# Altium PCB hand_main_board_v2.PcbDoc (part 2 of 4) (continued)
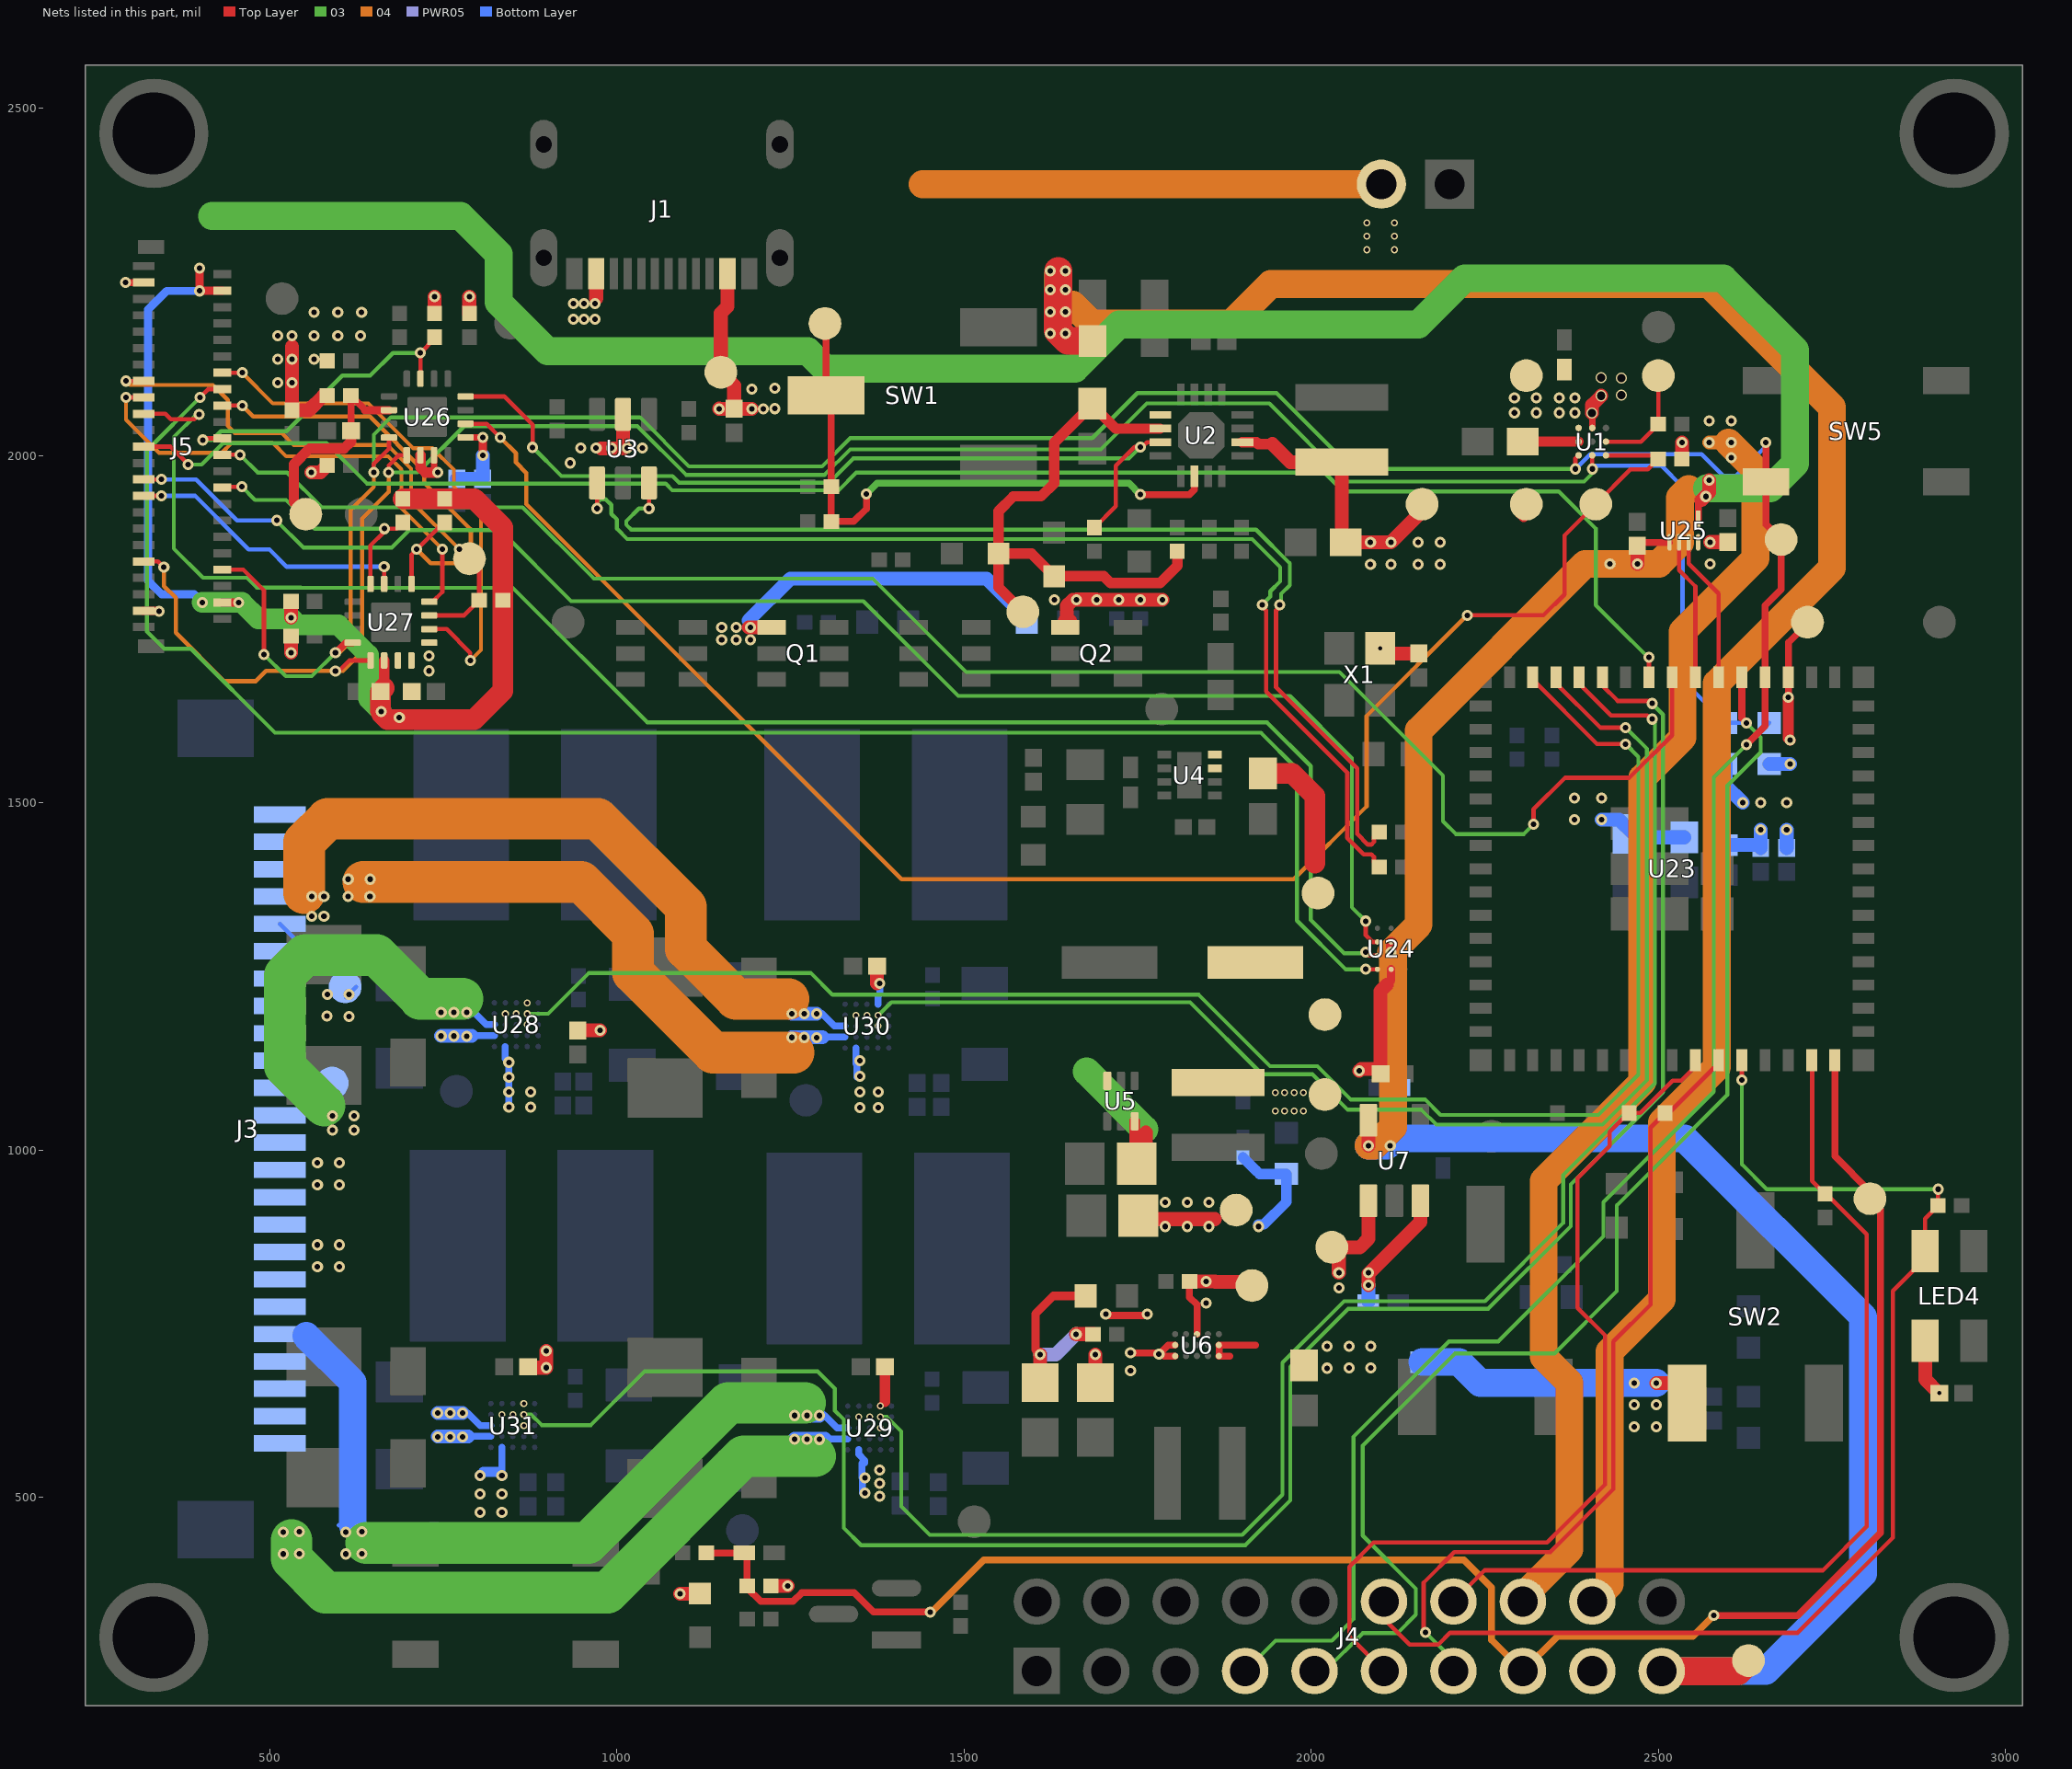
[diagram p6: the nets of this part, all layers, seen from the top]
## Via types
v1: diameter 16, hole 8, Top Layer to Bottom Layer, tented both sides, 757 vias
v2: diameter 10, hole 6, Top Layer to Bottom Layer, tented both sides, 56 vias
v3: diameter 16, hole 12, Top Layer to Bottom Layer, tented both sides, 42 vias
v4: diameter 19.68, hole 7.87, Top Layer to Bottom Layer, 8 vias
v5: diameter 20, hole 10, Top Layer to Bottom Layer, tented both sides, 6 vias
v6: diameter 12, hole 6, Top Layer to Bottom Layer, 2 vias
v7: diameter 16, hole 8, Top Layer to Bottom Layer, 1 vias

## Nets (pads, with @x,y where several pads share a name; then routed paths per layer and width w, separated by ;. In a path a pad name is that pad's centre, name@x,y a point inside that pad or via, vN(x,y) a via of type N, cw(c..) or ccw(c..) an arc to the next point about the centre after c; other vN are vias at no path point)
+1.8V: C25.2 C58.1 C59.1 C65.1 J4.19 J5.4 J5.42 R55.1 R56.2 R58.1 R59.2 TP20.TP? U7.5 U24.B2 U24.C2 U25.1 U25.5 U27.14 | length 7581.8
  Top Layer w10: C58.1@2475,1875 U25.5@2516.22,1875 ; U25.1@2557.56,1908.63 2557.56,1931.1 v1@2562.49,1936.03
  Top Layer w11.81: v1(399.17,2237.03) v1@399.41,2237.28 ; v1(399.17,2270.01) 399.41,2269.77 v1@399.41,2237.28 ; J5.4@431.91,1788.46 v1(455.65,1788.46) ; J5.42@431.91,2237.28 v1@399.41,2237.28
  Top Layer w15: C65.1@665.16,1665.16 U27.14@665.16,1704.88 ; v1(2115.32,1285) U24.C2@2115.32,1299.69 ; C58.1@2470,1870 C58.1@2475,1875
  Top Layer w20: v1(530.93,1766.26) R59.2@530.92,1790 ; v1(2082.6,1006.45) U7.5@2082.6,1043.07 ; v1(2470,1844.01) C58.1@2470,1870 ; v1@2562.49,1936.03 2573.45,1946.99 v1(2573.45,1964.37)
  Top Layer w30: C65.1@665.16,1665.16 C65.1@660,1660 660,1632.5 v1(661.08,1631.43) 661.08,1628.74 669.81,1620 795,1620 836.04,1661.04 R58.1@836.04,1791.43 836.04,1896.53 795,1937.57 R55.1@752.23,1937.57 R56.2@692.23,1937.57
  Top Layer w40: J4.19@2505.29,249.71 2614.71,249.71 TP20.TP?@2630,265
  03 w30: v1(403.16,1788.46) v1(455.65,1788.46) 460.2,1788.46 483.66,1765 529.67,1765 v1(530.93,1766.26) 541.19,1756 599.39,1756 642.5,1712.89 642.5,1650 v1(661.08,1631.43)
  03 w40: 417.25,2345 775,2345 830,2290 830,2220.63 900.45,2150.18 1275.09,2150.18 1300.27,2125 1660,2125 1723.58,2188.58 2154.51,2188.58 2220.93,2255 2593.89,2255 2696.95,2151.95 2696.95,1988.22 2661.6,1952.87 2570,1952.87
  04 w40: v1(2082.6,1006.45) 2091.39,1006.45 2118.11,1033.17 2118.11,1277.2 ; v1(2115.32,1285) 2155,1324.69 2155,1604.16 2394.85,1844.01 v1(2430.63,1844.01) v1(2470,1844.01) 2500.8,1844.01 2531.37,1874.58 2531.37,1939.37 2544,1952
  Bottom Layer w11.81: v1(399.17,2237.03) 352.03,2237.03 325,2210 325,1820 345,1800 391.61,1800 v1(403.16,1788.46)
  Bottom Layer w40: v1(2082.6,1006.45) 2109.29,1006.45 2119.66,1016.83 C25.2@2190,1016.83 2538.17,1016.83 2795,760 2795,390 2655,250 J4.19@2505,250
  other v1: 2114.1,1006.45 687,1623 2568.45,1940.97
+3.3V: C22.2 C23.2 C24.2 C48.2 C51.2 C53.2 C54.2 C55.2 C56.2 C57.2 C60.1 C61.2 C62.1 C63.1 C64.1 C71.2 C72.2 C81.2 C82.2 J4.17 J5.3 J5.43 LED3.2 LED4.1 R24.2 R25.2 R39.2 R42.2 R43.1 R48.2 R49.2 R60.1 R61.1 TP18.TP? TP42.TP? U6.E2 U6.E3 U7.1 U7.3 U23.3 U24.A2 U25.8 U26.1 U26.14 U26.15 U27.1 U27.15 U27.16 U28.C4 U28.D2 U28.D3 U28.E4 U29.C4 U29.D2 U29.D3 U29.E4 U30.C4 U30.D2 U30.D3 U30.E4 U31.C4 U31.D2 U31.D3 U31.E4 X1.4 | length 2174
  Top Layer w9.45: v1@737.08,1975.6 U26.15@737.08,2000.41 ; U26.1@782.35,2026 v1(807.16,2026) ; v1(807.01,2000.41) v1@807.16,2000.57
  Top Layer w10: v1(292.92,2249.09) J5.43@318.72,2249.09 ; v2(1380,631.5) 1386.23,637.73 ; v1(1740,708) 1783.16,708 1794.47,719.31 U6.E2@1804.25,719.31 ; v1@1788.5,703.56 U6.E3@1804.25,703.56 ; v1(2687.36,1651.88) U23.3@2687.36,1680.63 2687.36,1730.72 2715,1758.36 TP42.TP?@2715,1760
  Top Layer w11.81: J5.3@318.72,1776.65 340.35,1776.65 v1(341,1776)
  Top Layer w12: v1@807.16,2000.57 v1(807.16,2026) ; v1(1610,705.76) 1603,712.76 1603,764 1629,790 R25.2@1675.68,790 ; 2109,1238 2115.32,1244.31 U24.A2@2115.32,1260.31
  Top Layer w15: U26.14@717.39,2000.41 717.39,1982.61 724.4,1975.6 737.08,1975.6 v1(742.08,1975.6) ; 1386.23,637.73 C72.2@1386.23,688.22 ; C55.2@2096,1114 C55.2@2100,1110
  Top Layer w15.75: v1(2687.36,1651.88) 2687.36,1592.7 v1(2690.01,1590.05)
  Top Layer w20: v1(530.92,1716.37) R49.2@530.92,1740 ; v1(560.15,1975.6) 573.22,1975.6 R48.2@583.15,1985.53 ; R60.1@737.49,2204.61 v1(737.49,2228.75) ; R61.1@787.75,2204.61 v1(787.75,2228.75) ; C82.2@872.43,686.73 v1(898.42,686.73) v1(898.42,711.1) ; C71.2@944.17,1172.32 v1@975.94,1172.32 ; v1(1091.12,361.48) LED3.2@1119.86,361.48 ; R43.1@1222.04,372.5 v1(1246.17,372.5) ; v1@1375,1239.8 C81.2@1375,1265 ; C23.2@1610,665 v1(1610,705.76) ; v1(1661.78,735) R24.2@1685.92,735 ; C22.2@1689.46,665 v1(1689.46,705.76) ; v1(2040,823.38) 2040,860 2070.35,860 2082.6,872.25 U7.1@2082.6,926.93 ; v1(2069.36,1114) 2071.95,1116.59 2093.41,1116.59 C55.2@2100,1110 2100,1229 2109,1238 ; v1(2082.6,805.56) 2082.6,821.89 2157.4,896.69 U7.3@2157.4,926.93 ; v6(2099.53,1722.4) 2106.93,1715 C51.2@2155,1715 ; v1(2574.8,1875.35) C54.2@2600,1875.35 ; LED4.1@2884.46,725.53 2884.46,669.75 2904.21,650 v6(2905,650)
  PWR05 w20: v1(1610,705.76) 1632.54,705.76 v1(1661.78,735)
  Bottom Layer w10: U30.E4@1376.19,1210 1376.19,1221.49 1379,1224.3 v1(1379,1239.8)
  Bottom Layer w20: C64.1@769.6,1966.4 C62.1@807.01,1966.4 v1(807.01,2000.41) ; C24.2@2082.6,781.93 v1(2082.6,805.56) ; v1(2418.46,1475.91) 2443.69,1475.91 C61.2@2464.52,1455.08 2469.37,1450.24 C60.1@2537.58,1450.24 ; R39.2@2596.98,1555.68 2596.98,1525 v1(2621.62,1500.36) ; C57.2@2603.76,1439.14 2643.45,1439.14 C56.2@2647.59,1435 v1(2647.59,1460.99) ; R42.2@2660,1555.68 v1(2690.01,1555.68) ; C53.2@2685,1435 v1(2685,1460.99)
  other v1: 1740,682.54 1781,706 2040.33,801.35 2082.6,823.38 975.94,1172.7 2379.09,1475.91 2647.59,1500.36 2685,1500.36 2379.09,1506.62 2418.46,1506.62 730,1690 730,1711.5 2574.8,1843.85
  other v2: 1380,600 866.19,603.51 1348.5,615.75 1364.25,615.75 834.7,619.26 850.44,619.26 866.19,635 1376.19,1178.51 871.19,1180.52 1344.7,1194.26 1360.44,1194.26 839.7,1196.27 855.44,1196.27 871.19,1212.02
+5V: C19.1 C20.2 C21.2 R22.2 TP17.TP? U5.6 U28.A2 U29.A2 U30.A2 U31.A2 | length 772.9
  Top Layer w15: C20.2@1745.95,980.63 U5.6@1745.95,1041.49
  Top Layer w20: C20.2@1748.67,980.63 1762.27,994.22 1762.27,1025.26 ; C21.2@1756.27,900.63 1861.27,900.63
  03 w40: 1676.77,1113.23 1760,1030
  Bottom Layer w10: v1(834.7,531.42) U31.A2@834.7,572.01 ; U28.A2@839.29,1148.62 839.29,1131.79 v1(844.7,1126.39) v1@844.7,1103.89 ; v1@844.7,1060.97 v1(844.7,1083.46) ; v1@844.7,1082.43 v1(844.7,1104.93) ; U30.A2@1344.7,1147.01 1344.7,1124.52 v1@1345.24,1123.98 ; v1@1345.73,1104.97 v1@1345.73,1123.49 ; U29.A2@1348.5,568.5 1348.5,562.18 1357.5,553.18 1357.5,549.41 ; v1@1353.2,528.6 1353.2,548.72 ; v1@1353.67,506.72 v1@1353.67,526.11
  Bottom Layer w15: v1(803.2,531.42) 808.39,536.61 829.5,536.61 v1(834.7,531.42) ; C19.1@1902,989.39 1920.69,970.69 1925.68,965.71 R22.2@1964.6,965.71 1964.6,925.47 1932.06,892.93 v1@1924.17,892.93
  other v1: 803.2,478.42 834.7,478.42 1379,501.41 803.2,504.92 834.7,504.92 1357.5,506.41 1379,520.41 1357.5,527.91 1379,539.41 1790,890 1821.5,890 1853,890 1924.17,890 1790,925 1821.5,925 1853,925 1350.24,1061.48 1376.74,1061.48 844.7,1062 876.2,1062 876.2,1083.46 1350.24,1083.98 1376.74,1083.98 1350.24,1106.48 1350.24,1128.98
+V_IN: C14.1 C15.1 C17.1 L2.1 R19.1 SW2.1 TP12.TP? TP13.TP? TP15.TP? U4.7 U4.8 U5.3 U6.A2 U6.A3 | length 664.6
  Top Layer w10: U6.A2@1867.24,719.31 1920.19,719.31 ; U6.A3@1867.79,704.11 U6.A2@1867.79,718.76 ; 1873.91,703.56 U6.A3@1867.24,703.56 1882.99,703.56
  Top Layer w20: v1(2497.03,664.78) SW2.1@2537.59,664.78
  Top Layer w30: C15.1@1930.75,1542.13 1973.2,1542.13 2005.64,1509.68 2005.64,1413.23
  Bottom Layer w40: R19.1@2160.27,694.93 2213.3,694.93 2243.45,664.78 v1(2465.53,664.78) v1(2497.03,664.78)
  other v1: 2465.53,601.78 2497.03,601.78 2465.53,633.28 2497.03,633.28 2022.92,686 2054.7,686.11 2086.2,686.11 2022.92,717.5 2054.7,717.61 2086.2,717.61
  other v2: 1948.5,1056.5 1962,1056.5 1975.5,1056.5 1989,1056.5 1948.5,1083 1962,1083 1975.5,1083 1989,1083
+VBUS: C1.1 C6.2 J1.A4B9 J1.B4A9 J4.18 Q1.4 R13.2 R54.1 TP4.TP? U2.1 U3.5 | length 4134
  Top Layer w20: v1@970.51,2226.35 J1.B4A9@970.51,2261.99 ; v1@977.67,2010 1010,2010 1009.17,2010.83 U3.5@1009.17,2059.41 ; v1@1147.72,2067.45 1147.85,2067.32 C6.2@1169.17,2067.32 ; 1159.49,2226.35 J1.A4B9@1159.49,2261.99 1159.49,2214.49 1150,2205 TP4.TP?@1150,2120 1169.17,2100.83 C6.2@1169.17,2067.32 ; v1@1189.78,1752.4 Q1.4@1223.25,1752.4 ; v1(1194.38,2067.32) C6.2@1169.17,2067.32
  Top Layer w40: 1635.28,2237.73 1635.28,2179.62 1649.92,2164.99 C1.1@1685.18,2164.99 ; 1636,2238.53 1636,2265.9
  04 w40: 1636.09,2238.53 1636.09,2261.33 ; v1(1646.09,2207.03) 1656.63,2217.57 1684.2,2190 1885,2190 1941.87,2246.87 2573.13,2246.87 2750.32,2069.68 2750.32,1838.38 2584.29,1672.35 2584.29,1119.29 2505,1040 2505,785 2430,710 2430,375 J4.18@2405,350
  Bottom Layer w20: 1189.78,1762.4 1250.34,1822.96 1532.72,1822.96 R13.2@1590.68,1765
  other v1: 1151.28,1734.9 1172.03,1734.9 1192.78,1734.9 1151.28,1752.4 1172.03,1752.4 1192.78,1752.4 933.17,1989.33 948.17,2010.83 970.42,2010.83 992.67,2010.83 1014.92,2010.83 1037.17,2010.83 1147.72,2067.32 1211,2067.32 1227.75,2067.48 1194.38,2095.61 1227.75,2096.86 564.02,2138.64 564.02,2172.48 598.35,2172.48 631.02,2172.48 1624.59,2175.53 1646.09,2175.53 937.5,2196.5 953,2196.5 969,2196.5 564.02,2206.31 598.35,2206.31 632.69,2206.31 1624.59,2207.03 937.5,2219 953,2219 969,2219 1624.59,2238.53 1646.09,2238.53 1624.59,2265.9 1646.09,2265.9
AGND: NT1.1 R26.1 TP41.TP? U6.C1 | length 234.1
  Top Layer w10: v1(1704.25,763.73) 1706.08,761.9 1762.16,761.9 v1(1764,763.73) ; R26.1@1825.04,811 R26.1@1825.04,811 1825,788 1835.75,777.25 U6.C1@1835.75,735.06
  Top Layer w20: R26.1@1825.04,811 v1(1849.17,811) 1861.63,811 1862.41,810.21 1909.79,810.21 TP41.TP?@1915,805
  other v1: 1849.17,779.5
BAT+: C8.2 J2.2 J4.16 R3.2 R50.2 R51.1 TP8.TP? U1.C3 | length 2717.5
  Top Layer w15: R51.1@577.69,2086.05 R51.1@583.15,2086.05
  Top Layer w20: 532.23,2156.81 532.23,2136.31 R50.2@532.23,2065.25 556.89,2065.25 R51.1@577.69,2086.05 ; R3.2@2534.08,1995 v1(2534.08,2018.63)
  04 w20: v1(2573.45,2018.63) v1@2601.37,2018.63
  04 w40: 1440.63,2390.7 J2.2@2101.24,2390.7 ; J4.16@2305,350 2305,357.81 2372.27,425.09 2372.27,665 2335,702.27 2335,956.06 2477.14,1098.2 2477.14,1536.01 2535,1593.86 2535,1746.78 2640,1851.78 2640,1980 v1@2601.37,2018.63
  other v1: 2604.95,1997.13 2604.95,2018.63 2573.45,2050.13 2604.95,2050.13 2292.96,2061.48 2324.46,2061.48 2357.33,2061.48 2380.01,2061.48 2292.96,2082.98 2324.46,2082.98 2357.33,2082.98 2380.01,2082.98 511.73,2104.81 532.23,2104.81 511.73,2138.64 532.23,2138.64 511.73,2172.48 532.23,2172.48
  other v2: 2080.63,2296.26 2120,2296.26 2080.63,2315.63 2120,2315.63 2080.63,2335 2120,2335
BAT_INSERT_DETECT: C66.2 R51.2 TP30.TP? U26.10 | length 310.2
  Top Layer w10: R51.2@617.23,2086.05 R51.2@617.52,2085.77 ; C66.2@617.52,2029.67 C66.2@617.52,2035.79 R51.2@617.52,2085.77 ; 637.91,2065.37 R51.2@617.52,2085.77
  Top Layer w12: 637.91,2065.37 U26.10@672.12,2065.37
  Top Layer w15: TP30.TP?@552.23,1915.53 535,1932.76 535,1987.3 557.7,2010 607.31,2010 617.52,2020.2 C66.2@617.52,2035.79
BOS1901_1_CS: U23.14 U28.D4 | length 2392.6
  Top Layer w6.16: U23.14@2319.25,1680.63 2319.25,1677.2 2411.84,1584.62 v1(2453.11,1584.62)
  03 w5.61: v2(871.19,1196.27) 901.27,1196.27 960,1255 1279.5,1255 1310.86,1223.64 1838.19,1223.64 1940.94,1120.89 2009.11,1120.89 2057.09,1072.91 2164.09,1072.91 2186.31,1050.69 2413.69,1050.69 2471.51,1108.51 2471.51,1566.22 v1(2453.11,1584.62)
BOS1901_2_CS: U23.13 U30.D4 | length 1870.3
  Top Layer w6.16: U23.13@2352.72,1680.63 2352.72,1672.17 2416.66,1608.23 v1(2453.11,1608.23)
  03 w5.61: v2(1376.19,1194.26) 1377.07,1194.26 1395.56,1212.75 1825.81,1212.75 1929.39,1109.17 2001.92,1109.17 2053,1058.09 2158.91,1058.09 2180.45,1036.55 2419.55,1036.55 2483.77,1100.77 2483.77,1577.57 v1(2453.11,1608.23)
BOS1901_3_CS: U23.12 U29.D4 | length 2330.9
  Top Layer w6.16: U23.12@2386.18,1680.63 2386.18,1671.61 2432.26,1625.53 2484.38,1625.53 2489.41,1620.5 v1(2491,1620.5)
  03 w5.61: v2(1380,615.75) 1389.25,615.75 1410,595 1410,487 1451.02,445.98 1900.98,445.98 1959,504 1959,694.02 2047.54,782.56 2250.51,782.56 2363.01,895.06 2363.01,963.71 2495.29,1095.99 2495.29,1616.21 v1(2491,1620.5)
BOS1901_4_CS: U23.11 U31.D4 | length 2970.9
  Top Layer w6.16: U23.11@2419.65,1680.63 2419.65,1668.65 2441.66,1646.63 2487.37,1646.63 v1(2491,1643)
  03 w5.61: v2(866.19,619.26) 876.63,619.26 891.85,604.03 963.03,604.03 1040.32,681.32 1289.46,681.32 1314.15,656.63 1314.15,624.85 1327,612 1327,456 1352,431 1905.38,431 1970,495.62 1970,688 2053.56,771.56 2255.06,771.56 2374.01,890.5 2374.01,950.57 2506.84,1083.4 2506.84,1627.16 v1(2491,1643)
BQ25302_EN: R9.1 R11.2 SW1.2 TP9.TP? U2.6 | length 875.7
  Top Layer w10: TP9.TP?@1300,2190 1301.56,2188.44 1301.56,2088.42 1309.08,2080.9 R11.2@1309.08,1955 R9.1@1309.08,1905 1341.32,1905 1359.73,1923.42 v1(1359.73,1944.83) ; v1(1754.2,1943.81) 1824.83,1943.81 1832.16,1951.14 U2.6@1832.16,1969.96
  03 w10: v1(1359.73,1944.83) 1374.9,1960 1738.01,1960 v1(1754.2,1943.81)
BQ25302_REGN: C2.1 LED1.2 LED2.1 R6.1 TP1.TP? U2.2 | length 814.6
  Top Layer w15: TP1.TP?@1585,1775 1549.82,1810.18 LED2.1@1549.82,1858.88 ; U2.2@1782.79,2038.7 1718.73,2038.7 1685,2072.43 C2.1@1685,2075 1685,2073.39 1630,2018.39 1630,1960 1611.22,1941.22 1571.22,1941.22 1549.82,1919.82 LED2.1@1549.82,1858.88 ; R6.1@1807.48,1862.07 1807.48,1841.27 1782.67,1816.46 1711.28,1816.46 1701.53,1826.21 LED1.2@1630.14,1826.21 1597.46,1858.88 LED2.1@1549.82,1858.88
BQ25302_STAT: R10.1 U2.3 U26.4 | length 1241
  Top Layer w6.16: U26.4@782.35,2085.06 837.94,2085.06 879,2044 v1(879,2011.78) ; R10.1@1688,1896.15 1719,1927.15 1719,1985.4 1745.8,2012.21 v1(1754.2,2012.21) ; v1@1756.7,2012.21 1763.67,2019.17 U2.3@1782.95,2019.17
  03 w5.61: v1(879,2011.78) 920.39,1970.39 1080.39,1970.39 1090,1960.79 1305.68,1960.79 1340.7,1995.8 1737.79,1995.8 v1(1754.2,2012.21)
BQ27427_BIN: R2.2 TP2.TP? U1.B1 | length 145.7
  Top Layer w6.16: U1.B1@2424.68,2019.99 2475,2019.99 R2.2@2500,2045 TP2.TP?@2500,2105
BQ27427_GPOUT: R3.1 TP3.TP? U1.A1 U26.2 | length 2477.5
  Top Layer w6.16: U26.2@782.35,2045.69 812.66,2045.69 v1(832.37,2025.98) ; v7(2225,1770) 2335,1770 2365,1800 2365,1885 TP3.TP?@2410,1930 2460,1980 2485,1980 R3.1@2500,1995 2494.68,2000.31 U1.A1@2424.68,2000.31
  04 w6.16: v1(832.37,2025.98) 855,2003.35 855,1990 870,1975 870,1930 1410,1390 1975,1390 2080,1495 2080,1625 v7(2225,1770)
BQ27427_SRX: C7.1 L1.2 Q2.4 TP7.TP? U1.C2 U2.10 | length 642.7
  Top Layer w6.16: 1921.29,2019.17 1923.82,2016.64 ; 1944.05,2016.64 1948.84,2011.84 ; v3(2404.78,2061.2) v3@2405,2060.98
  Top Layer w9: U1.C2@2405,2039.69 v3@2405,2060.98
  Top Layer w15: U2.10@1901.06,2019.17 1921.29,2019.17 ; 1923.82,2016.64 1944.05,2016.64
  Top Layer w20: Q2.4@1645.92,1762.4 1652.64,1762.4 1648.4,1766.64 1648.4,1783.71 1656.76,1792.06 v1(1662.06,1792.06) ; v1@1662.67,1792.67 v1@1690.83,1792.67 ; v1(1691.43,1792.06) v1(1785.93,1792.06) ; 1944.05,2016.64 1970.13,1990.56 L1.2@2044.05,1990.56 2044.05,1880.95 C7.1@2050,1875 ; C7.1@2050,1874.31 C7.1@2050,1875 ; TP7.TP?@2158.4,1931.6 TP7.TP?@2160,1930 2160,1920 v1(2115,1875) C7.1@2050,1875 ; v3(2404.78,2061.2) 2404.78,2072.78 v3(2418,2086)
  other v1: 1630.56,1792.06 1722.93,1792.06 1754.43,1792.06 2085.63,1843.5 2115,1843.5 2154.37,1843.5 2185.87,1843.5 2085.63,1875 2154.37,1875 2185.87,1875
  other v3: 2447,2087 2446.8,2111.3 2418,2112
BQ27427_VDD: C5.1 TP5.TP? U1.B3 | length 92.4
  Top Layer w15: TP5.TP?@2301,1917 TP5.TP?@2306,1912 ; C5.1@2305,2025 C5.1@2305,2020 U1.B3@2385.32,2019.99
DEBUG_P1_TX: J4.11 R34.1 U23.39 | length 1302.8
  Top Layer w6.16: J4.11@2105,250 2055,300 2055,400 2090,435 2339.69,435 2423.24,518.55 2423.24,733.42 2383.74,772.92 2383.74,959.83 2430,1006.09 2430,1026.31 2457.07,1053.38 R34.1@2458.3,1053.38 2474.19,1053.38 2520.81,1100 2533.02,1100 2553.5,1120.48 U23.39@2553.5,1129.45
DEBUG_P2_RX: J4.13 R35.1 U23.40 | length 1156
  Top Layer w6.16: v1(2164.81,305.72) 2162.13,308.4 2162.13,377.13 2206.33,421.33 2344.58,421.33 2435.5,512.25 2435.5,724.5 2488.75,777.75 2488.75,1032.13 R35.1@2510,1053.38 2515.2,1053.38 U23.40@2589.12,1127.3
  03 w5.61: v1(2164.81,305.72) 2205,265.53 J4.13@2205,250
DEBUG_P3_RGB: J4.12 LED4.4 R38.2 U23.41 | length 1812.8
  Top Layer w6.16: J4.12@2105,350 2105,325 2141.78,288.22 2183.37,288.22 2200.14,305 2701,305 2838.03,442.03 2838.03,797.37 2884.46,843.81 LED4.4@2884.46,854.47 2884.46,901.5 R38.2@2902.96,920 v1(2902.96,943.63) ; v1(2620.43,1100.7) U23.41@2620.43,1129.45
  03 w5.61: v1(2620.43,1100.7) 2620.43,979.57 2656.37,943.63 v1(2902.96,943.63)
DEBUG_P4: J4.14 R37.2 U23.44 | length 1345.1
  Top Layer w6.16: J4.14@2205,350 2250,395 2737,395 2800,458 2800,878.99 2741.95,937.04 R37.2@2740,937.04 2721.65,955.39 2721.65,1128.62 U23.44@2720.83,1129.45
ESP_CH101_SCL: U23.6 U25.7 | length 212.3
  Top Layer w6.16: U25.7@2543.78,1875 2543.78,1844.35 2586.97,1801.17 U23.6@2586.97,1680.63
ESP_CH101_SDA: U23.7 U25.6 | length 204.1
  Top Layer w6.16: U25.6@2530,1875 2530,1835 2553.5,1811.5 U23.7@2553.5,1680.63
ESP_EN: C49.1 J4.15 R40.2 R43.2 TP26.TP? U23.45 | length 2695
  Top Layer w10: R40.2@1129.08,420 C49.1@1183.54,420 1187.96,415.58 R43.2@1187.96,372.5 1187.96,369.65 1207.45,350.16 1254,350.16 1266.84,363 1342,363 1362.42,342.58 1370,335 v1(1451.59,335) ; v1(2580,330) 2701,330 2820,449 2820,915 TP26.TP?@2805,930 2805,940.56 2754.29,991.27 U23.45@2754.29,1129.45
  04 w10: v1(1451.59,335) 1454.04,335 1529.04,410 2220,410 2260,370 2260,295 J4.15@2305,250 2355,300 2550,300 v1(2580,330)
ESP_USB_N: R44.2 U3.3 | length 1556.3
  Top Layer w6.16: v1(1046.57,1923.77) U3.3@1046.57,1960.59
  Top Layer w6.23: v1(1955,1785) 1955,1782.36 1949.61,1776.97 1949.61,1666.26 2066.36,1549.51 2066.36,1455.32 2081.81,1439.88 2086.97,1439.88 2090.62,1443.52 2090.62,1450.38 R44.2@2098.14,1457.89
  03 w5.66: v1(1046.57,1923.77) 1032.13,1923.77 1013.89,1905.53 1013.89,1900.42 1020.97,1893.35 1920.76,1893.35 1969.34,1844.77 1969.34,1813.18 1956.98,1800.82 1956.98,1786.98 v1(1955,1785)
ESP_USB_P: R45.2 U3.1 | length 1605
  Top Layer w6.16: v1(971.77,1923.77) U3.1@971.77,1960.59
  Top Layer w6.23: v1(1930,1785) 1930,1782.36 1935.39,1776.97 1935.39,1660.36 2052.13,1543.61 2052.13,1449.43 2075.92,1425.65 2086.97,1425.65 2090.62,1422 2090.62,1415.15 R45.2@2098.14,1407.63
  03 w5.66: v1(971.77,1923.77) 971.77,1931.85 976.77,1936.85 984.47,1936.85 992.35,1928.97 992.35,1915.89 1000.23,1908 1000.23,1894.77 1015.31,1879.69 1915.11,1879.69 1955.68,1839.12 1955.68,1818.84 1941.4,1804.56 1941.4,1796.92 1930,1785.53 v1(1930,1785)
FPC_BMI323_CS: J5.23 U23.9 | length 2433.4
  Top Layer w6.16: J5.23@318.72,2012.87 357.12,2012.87 v1(382.83,1987.16) ; U23.9@2486.57,1680.63 v1(2486.57,1709.38)
  03 w5.61: v1(382.83,1987.16) 402.37,1987.16 433.07,2017.85 582.15,2017.85 640.39,1959.61 1070.39,1959.61 1080,1950 1319.66,1950 1345,1975.34 2019.5,1975.34 2046.49,1948.35 2356.65,1948.35 2410,1895 2410,1784.68 2439.84,1754.84 2485.3,1709.38 v1(2486.57,1709.38)
FPC_BMI323_INT1: J5.22 U23.8 | length 2507.5
  Top Layer w6.16: J5.22@431.91,2001.06 v1(457.45,2001.06) ; v1(2320.37,1469) 2320.37,1490.37 2365.99,1535.99 2458.59,1535.99 2520.04,1597.44 U23.8@2520.04,1680.63
  03 w5.61: v1(457.45,2001.06) 483.18,1975.32 525.35,1975.32 575.23,1925.44 864.56,1925.44 967.3,1822.7 1368.89,1822.7 1503.2,1688.39 2040.76,1688.39 2190,1539.14 2190,1473.43 2208.43,1455 2306.37,1455 v1(2320.37,1469)
FPC_BMI323_INT2: J5.24 R60.2 U26.7 | length 462.2
  Top Layer w6.16: v1(404.1,2022.39) 406.38,2024.68 J5.24@431.91,2024.68 ; U26.7@717.39,2110.65 v1(717.39,2147.78) 737.49,2167.88 R60.2@737.49,2170.53
  03 w6.16: v1(404.1,2022.39) 417.39,2022.39 430,2035 525,2035 605,2115 645,2115 677.78,2147.78 v1(717.39,2147.78)
FPC_BOARD_SCL: J4.7 J5.8 R42.1 SW5.2 TP25.TP? U1.A3 U23.4 U26.12 U27.12 | length 5157.1
  Top Layer w6.16: J5.8@431.91,1835.7 462.19,1835.7 492.05,1805.84 v1(492.05,1713.53) ; v1(650.12,1975.6) 650.12,1987.91 672.12,2009.91 U26.12@672.12,2026 ; v1(2380.66,1980.69) 2380.66,1995.66 U1.A3@2385.32,2000.31
  Top Layer w10: v1@595.42,1716.37 609.52,1730.47 U27.12@619.88,1730.47 ; v1(2626.99,1583.5) 2653.9,1610.41 U23.4@2653.9,1680.63 2653.9,1783.9 2677.01,1807.01 TP25.TP?@2677.01,1879 2655.08,1900.93 SW5.2@2655.08,1962.16 v1(2655.08,2018.63)
  03 w5.61: v1(492.05,1713.53) 523.38,1682.2 560.83,1682.2 v1(595,1716.37) ; v1(650.12,1975.6) 650.12,2030.12 675,2055 1033.49,2055 1104.13,1984.36 1295.77,1984.36 1336.51,2025.1 1685.1,2025.1 1750,2090 1950.22,2090 2059.53,1980.69 v1(2380.66,1980.69) ; J4.7@1905,250 1948.85,293.85 2029.99,293.85 2061,324.87 2061,587.01 2198.4,724.41 2269.63,724.41 2420.99,875.77 2420.99,925.13 2580,1084.14 2580,1536.51 v1(2626.99,1583.5)
  04 w5.61: v1(595,1716.37) 601.09,1716.37 616.92,1732.2 616.92,1921.75 650.12,1954.94 v1(650.12,1975.6)
  Bottom Layer w6.16: v1@2380.98,1980.69 2402.05,2001.76 2562.26,2001.76 2593.51,1970.51 2612.14,1970.51 2655.08,2013.45 v1(2655.08,2018.63) ; v1@2628.5,1583.5 R42.1@2660,1615
  Bottom Layer w10: v1(2626.99,1583.5) v1@2628.5,1583.5
FPC_BOARD_SDA: J4.9 J5.9 R39.1 U1.A2 U23.5 U26.13 U27.13 | length 5159.8
  Top Layer w6.16: J5.9@318.72,1847.51 339.53,1847.51 v1(347.95,1839.08) ; v1(595,1689.88) 600,1689.88 615,1704.88 U27.13@645.47,1704.88 ; v1(671.71,1975.6) 671.71,1985.71 686.41,2000.41 U26.13@697.71,2000.41 ; v1@2405,1982.59 U1.A2@2405,2000.31
  Top Layer w10: U23.5@2620.43,1680.63 2620.43,1621.56 v1(2626.99,1615)
  03 w5.61: v1(671.71,1975.6) 713.6,1975.6 780.34,2042.34 1029.74,2042.34 1099.85,1972.23 1299.48,1972.23 1336.25,2009 1697.33,2009 1763.33,2075 1940,2075 2052.37,1962.63 2393.31,1962.63 2405,1974.31 v1(2405,1980.69) ; J4.9@2005,250 2020,250 2074.48,304.48 2124.47,304.48 2151,331.01 2151,368.44 2074.47,444.97 2074.47,574.47 2207.13,707.13 2350.49,707.13 2440.35,796.99 2440.35,920.35 2599.56,1079.56 2599.56,1524.82 2647.53,1572.79 2647.53,1594.46 v1(2626.99,1615)
  04 w5.61: v1@600,1689.88 605.92,1689.88 633.41,1717.37 633.41,1909.21 671.71,1947.51 v1(671.71,1975.6)
  04 w6.16: v1(347.95,1839.08) 347.95,1812.05 365,1795 365,1745 435,1675 480,1675 494.88,1689.88 v1(595,1689.88)
  Bottom Layer w6.16: v1(2405,1980.69) 2409.53,1985.23 2504.77,1985.23 2535,1955 2535,1676.98 R39.1@2596.98,1615 v1(2626.99,1615) v1@2628.05,1613.94
FPC_BOS1901_1_OUT+: J3.16 J3.17 J3.18 TP34.TP? U28.B1 | length 98.2
  Bottom Layer w6.16: TP34.TP?@610,1220 TP34.TP?@625,1235
  Bottom Layer w10: v1@791.24,1163.97 792.05,1164.78 U28.B1@823.95,1164.78
  Bottom Layer w20: v1@747.25,1164.55 v1@791.24,1164.55
  other v1: 747.25,1164.19 765.25,1164.19 784.24,1163.97 614.4,1192.44 582.9,1192.8 583.26,1224.3 614.76,1223.94
FPC_BOS1901_1_OUT−: J3.13 J3.14 J3.15 TP35.TP? U28.C1 | length 589.5
  03 w60: 579,1064 522,1121 522,1251.68 551.15,1280.83 654.17,1280.83 717,1218 778,1218
  Bottom Layer w10: v1(784.24,1198.37) 794.34,1198.37 812.18,1180.52 U28.C1@823.95,1180.52
  Bottom Layer w20: v1(747.25,1198.37) v1(765.25,1198.37) v1(784.24,1198.37)
  other v1: 590.5,1028.5 622,1028.5 590.5,1049.19 622,1049.19
FPC_BOS1901_2_OUT+: J3.22 J3.23 J3.24 U30.B1 | length 831.5
  04 w60: 634.96,1386.2 948.8,1386.2 1023.55,1311.45 1023.55,1255.7 1138.77,1140.48 1255.02,1140.48
  Bottom Layer w10: 1296.24,1161.95 1297.05,1162.76 U30.B1@1328.95,1162.76
  Bottom Layer w20: v1@1252.25,1162.54 1296.24,1162.54
  other v1: 1252.25,1162.17 1270.25,1162.17 1288.24,1161.95 613.17,1365 644.67,1365 613.5,1390 645,1390
FPC_BOS1901_2_OUT−: J3.19 J3.20 J3.21 U30.C1 | length 1062.4
  04 w60: 550,1370 550,1443.18 583.91,1477.09 972.91,1477.09 1099.79,1350.21 1099.79,1289.7 1171.91,1217.57 1247.61,1217.57
  Bottom Layer w6.16: J3.20@515.04,1325.7 J3.19@550.74,1290
  Bottom Layer w10: v1(1288.24,1196.35) 1295.56,1196.35 1313.41,1178.51 U30.C1@1328.95,1178.51
  Bottom Layer w20: v1(1252.25,1196.35) v1(1270.25,1196.35) v1(1288.24,1196.35)
  other v1: 560.74,1336.86 578.46,1336.86 560.74,1365 578.46,1365
FPC_BOS1901_3_OUT+: J3.1 J3.2 J3.3 U29.B1 | length 959.1
  03 w60: 531.65,438.27 531.65,411.78 580.47,362.97 986.7,362.97 1182.92,559.2 1285.69,559.2
  Bottom Layer w10: 1300.05,583.45 1300.85,584.25 U29.B1@1332.76,584.25
  Bottom Layer w20: v1@1256.06,584.03 1300.05,584.03
  other v1: 520,418.5 543,419 520,450 543,450.5 1292.05,583.45 1256.06,583.67 1274.05,583.67
FPC_BOS1901_3_OUT−: J3.4 J3.5 J3.6 U29.C1 | length 1119.9
  03 w60: 639.28,434.47 958.95,434.47 1160.57,636.09 1271.21,636.09
  Bottom Layer w6.16: 600,460 620,460
  Bottom Layer w10: v1(1292.05,617.84) 1299.37,617.84 1317.21,600 U29.C1@1332.76,600
  Bottom Layer w20: v1(1256.06,617.84) v1(1274.05,617.84) v1(1292.05,617.84)
  Bottom Layer w40: 552.91,732.62 620,665.53 620,460
  other v1: 610,418.5 633,419 610,450 633,450.5
FPC_BOS1901_4_OUT+: J3.7 J3.8 J3.9 U31.B1 | length 77
  Bottom Layer w10: 786.24,586.95 787.05,587.76 U31.B1@818.95,587.76
  Bottom Layer w20: v1@742.25,587.54 786.24,587.54
  other v1: 742.25,587.17 760.25,587.17 778.24,586.95 569.12,832.01 600.62,832.01 569.12,863.51 600.62,863.51
FPC_BOS1901_4_OUT−: J3.10 J3.11 J3.12 U31.C1 | length 84.1
  Bottom Layer w10: v1(778.24,621.35) 785.56,621.35 803.41,603.51 U31.C1@818.95,603.51
  Bottom Layer w20: v1(742.25,621.35) v1(760.25,621.35) v1(778.24,621.35)
  other v1: 569.12,950.12 600.62,950.12 569.12,981.62 600.62,981.62
FPC_CH101_1_INT: J5.30 U24.A3 | length 2507.3
  Top Layer w6.16: v1(400,2083.74) 411.8,2095.54 J5.30@431.91,2095.54 ; v1(2078.78,1260.31) U24.A3@2095.63,1260.31
  03 w5.61: v1(400,2083.74) 323.5,2007.24 323.5,1746.5 348.17,1721.83 387.03,1721.83 508.07,1600.79 1927.92,1600.79 1979.8,1548.92 1979.8,1330.32 2049.8,1260.31 v1(2078.78,1260.31)
FPC_CH101_1_PROG: J5.32 U27.2 | length 772.9
  Top Layer w6.16: J5.32@431.91,2119.17 v1(460.65,2119.17) ; U27.2@730.12,1750.16 755.06,1750.16 789.25,1715.97 v1(789.25,1704.88)
  04 w5.61: v1(460.65,2119.17) 504.82,2075 642.36,2075 707.01,2010.35 734.65,2010.35 765.35,1979.65 765.35,1955.35 804.48,1916.22 804.48,1720.12 v1(789.25,1704.88)
FPC_CH101_1_RESET: J5.31 R58.2 TP28.TP? U27.3 | length 821.3
  Top Layer w6.16: v1(293.36,2107.24) 293.48,2107.36 J5.31@318.72,2107.36 ; U27.3@730.12,1769.84 780.38,1769.84 R58.2@801.96,1791.43 801.96,1836.42 v1(773.38,1865)
  04 w5.61: v1(293.36,2107.24) 299.05,2101.55 418.45,2101.55 440,2080 440,2042.47 450,2032.47 517.53,2032.47 535,2015 670.06,2015 704.03,1981.03 704.03,1934.35 v1(773.38,1865)
FPC_CH101_2_INT: J5.27 U24.B3 | length 2403.4
  Top Layer w6.16: J5.27@318.72,2060.11 349.89,2060.11 357.71,2052.29 391.9,2052.29 v1(398.68,2059.07) ; v1(2078.78,1285) 2083.78,1280 U24.B3@2095.63,1280
  03 w5.61: v1(398.68,2059.07) 394.92,2059.07 362.37,2026.52 362.37,1866.03 404.2,1824.2 467.5,1824.2 481.7,1810 545,1810 545.37,1809.63 850.37,1809.63 1044.09,1615.91 1936.52,1615.91 1999.59,1552.83 1999.59,1331.38 2047.66,1283.32 2077.1,1283.32 v1(2078.78,1285)
FPC_CH101_2_PROG: J5.29 U27.4 | length 720.9
  Top Layer w6.16: v1(293.36,2083.61) 293.48,2083.73 J5.29@318.72,2083.73 ; U27.4@730.12,1789.53 734.87,1789.53 748.93,1803.59 v1(748.93,1865)
  04 w5.61: v1(293.36,2083.61) 293.36,2051.64 341.13,2003.87 431.45,2003.87 445.65,2018.07 505,2018.07 524.04,1999.04 670.96,1999.04 690,1980 690,1923.93 v1(748.93,1865)
FPC_CH101_2_RESET: J5.28 R55.2 U27.5 | length 680.6
  Top Layer w6.16: J5.28@431.91,2071.92 v1(460.65,2071.93) ; U27.5@704.53,1815.12 704.53,1857.19 v1@712,1864.67 ; v1(712,1865) 749.07,1902.07 752.23,1902.07 R55.2@752.23,1903.49
  04 w6.16: v1(460.65,2071.93) 476.44,2056.14 644.53,2056.14 723.02,1977.66 723.02,1960.54 790,1893.56 790,1855 780,1845 732,1845 v1(712,1865)
FPC_CH101_3_INT: J5.19 U24.C3 | length 2212
  Top Layer w6.16: J5.19@318.72,1965.62 v1(344.26,1965.62) ; v1(2078.78,1329.69) 2078.78,1309.3 2088.39,1299.69 U24.C3@2095.63,1299.69
  03 w5.61: v1(510.65,1906.57) 510.65,1905.73 548.88,1867.5 676.28,1867.5 701.36,1892.58 832.42,1892.58 934.55,1790.45 1355.17,1790.45 1491.82,1653.8 1969.77,1653.8 2058.98,1564.58 2058.98,1349.48 v1(2078.78,1329.69)
  Bottom Layer w6.16: v1(344.26,1965.62) 394.38,1965.62 453.43,1906.57 v1(510.65,1906.57)
FPC_CH101_3_PROG: J5.17 U27.7 | length 413.5
  Top Layer w6.16: J5.17@318.72,1942 v1(344.26,1942) ; U27.7@665.16,1815.12 v1(665.16,1839.93)
  Bottom Layer w6.16: v1(344.26,1942) 393,1942 470,1865 500,1865 525.07,1839.93 v1(665.16,1839.93)
FPC_CH101_3_RESET: J5.18 R56.1 U27.8 | length 368.8
  Top Layer w6.16: J5.18@435,1955 v1(460,1955) ; U27.8@645.47,1815.12 645.47,1870.47 v1@664.96,1889.96 ; v1@667.6,1894.65 683.39,1894.65 R56.1@692.23,1903.49
  03 w5.61: v1(460,1955) 479.12,1935.88 523.91,1935.88 565.14,1894.65 v1@667.6,1894.65
  other v1: 665.6,1894.65